# Altium PCB Sistema_electrolitic.PcbDoc (continued)
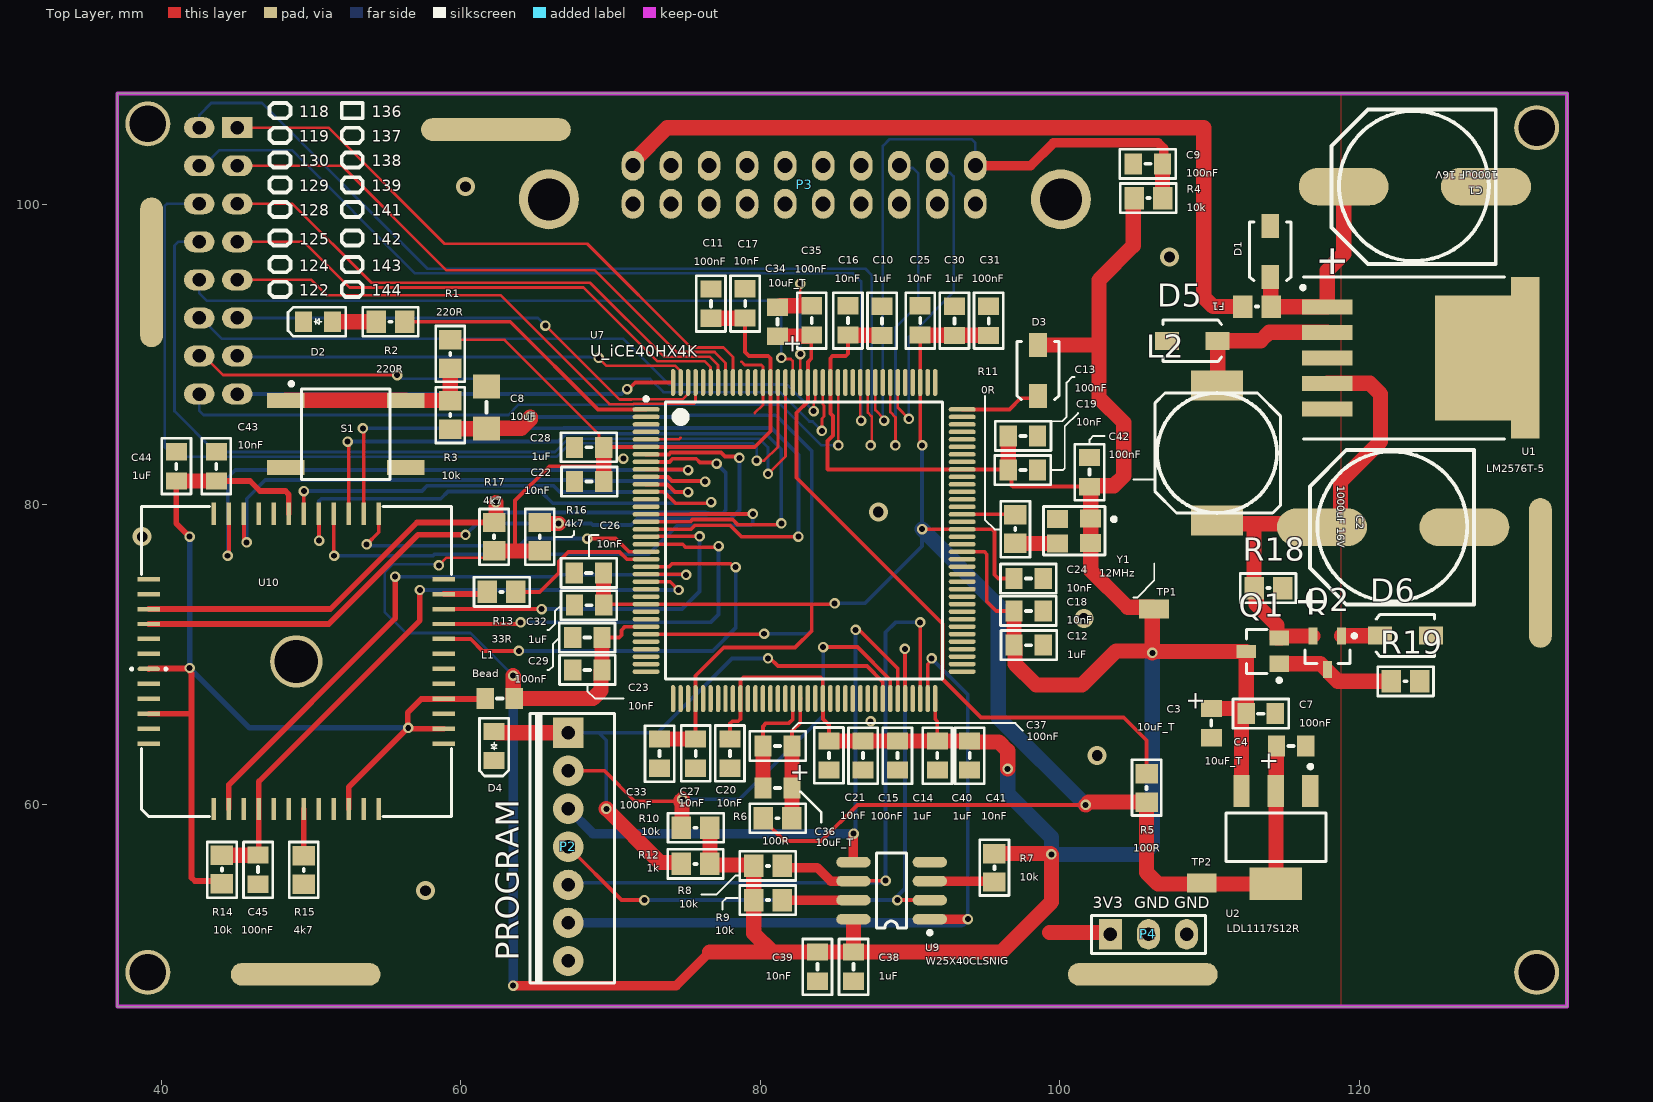
[diagram p0: Top Layer view]
## Part data (continued)
L1: library part L_Bead, "Inductor SMD 0805", Case Code (Imperial)=0805, Case Code (Metric)=2012, Manufacturer=Pulse, Manufacturer Part Number=PE-0805PFB600ST, Max Current Rating=3A, Max Operating Temperature=105°C, Min Operating Temperature=-40°C, Package Quantity=4000, Supplier Part Number 1=673-PE-0805PFB600ST, Case/Package=0805, Category="Ferrite Beads and Chips", ComponentLink1Description=https://productfinder.pulseeng.com/doc_type/WEB301/doc_num/WC706/doc_part/WC706.pdf?src-supplier=Digikey, ComponentLink1URL=https://productfinder.pulseeng.com/doc_type/WEB301/doc_num/WC706/doc_part/WC706.pdf?src-supplier=Digikey, ComponentLink2Description=http://productfinder.pulseeng.com/products/datasheets/WC706.pdf?src-supplier=Digikey, ComponentLink2URL=http://productfinder.pulseeng.com/products/datasheets/WC706.pdf?src-supplier=Digikey, Height=0.041inch, Length=0.079inch, Mounting Technology="Surface Mount", Number of Lines=1, Packaging="Cut Tape", Pricing 1="1=0,1, 10=0,051, 50=0,051, 100=0,035, 1000=0,025, 10000=0,02 (USD)", RoHS=Yes, RoHS Compliant=Yes, Series=PFB, Stock 1=58506, Supplier 1=Mouser, Width=0.049inch
L2: library part L_?_5, "(Generico)  Inductor SMD 10x10"
P1: library part "P_Conector 8x2"
P2: library part "P_BORNERA 7", "Bornera 7"
P3: library part P_Conector_20_H, "Conector 20 Position Din Connector Plug, Male Pins Gold Through Hole, Right Angle", Current Rating=2A, Flammability Rating="UL94 V-0", Manufacturer="HARTING Technology", Manufacturer Part Number=09242206825, Package Quantity=20, Supplier Part Number 1=617-09-24-220-6825, Category="DIN 41612 Connectors", ComponentLink1Description=https://datasheet.ciiva.com/11731/0900766b811d3497-11731844.pdf?src-supplier=Rs, ComponentLink1URL=https://datasheet.ciiva.com/11731/0900766b811d3497-11731844.pdf?src-supplier=Rs, Connector Type=Receptacle, Contact Material="Copper Alloy", Contact Plating=Gold, Gender=Female, Housing Material=Thermoplastic, Insulation Material=Glass, Lead Free="Lead Free", Mounting Technology="Through Hole", Number of Contacts=20, Number of Positions=20, Number of Rows=2, Orientation=Straight, Packaging=Bulk, Pitch=2.54mm, Pricing 1="1=4,87, 10=4,27, 50=4,27, 100=3,55, 1000=2,94, 10000=2,74 (USD)", RoHS=Yes, RoHS Compliant=Yes, Series="DIN 41612", Shell Size=3B, Stock 1=166, Supplier 1=Mouser, Tail Length=4.5mm, Termination=Solder
P4: library part "P_Header 3", "Header, 3-Pin"
Q1: library part Q_SQ2389CES-T1_GE3, Supplier Part Number 1=78-SQ2389CES-T1_GE3, Supplier 1=Mouser
Q2: library part Q_BC856, "TRANS PNP 65V 0.1A SOT23", Case/Package=SOT-23-3, Clock Frequency=100MHz, Collector Base Voltage (VCBO)=80V, Collector Emitter Breakdown Voltage=65V, Collector Emitter Saturation Voltage=-650mV, Collector-emitter Voltage-Max=650mV, Current Rating=-100mA, Emitter Base Voltage (VEBO)=5V, Manufacturer="ON Semiconductor", Max Collector Current=100mA, Max Operating Temperature=150°C, Max Power Dissipation=300mW, Min Operating Temperature=-55°C, Package Quantity=3000, Supplier Part Number 1=863-BC856ALT1G, Voltage Rating (DC)=-65V, Category=BJTs, Collector Emitter Voltage (VCEO)=65V, ComponentLink1Description="Manufacturer Link", ComponentLink1URL=http://www.fairchildsemi.com/, ComponentLink2Description=Datasheet, ComponentLink2URL=http://www.fairchildsemi.com/ds/2N%2F2N3904.pdf, ComponentLink3Description=http://www.farnell.com/datasheets/1840529.pdf?src-supplier=Farnell, ComponentLink3URL=http://www.farnell.com/datasheets/1840529.pdf?src-supplier=Farnell, ComponentLink4Description=http://www.alliedelec.com/m/d/ae2fff4c1f3549b23e4cd9e6cc054b51.pdf?src-supplier=Allied+Electronics, ComponentLink4URL=http://www.alliedelec.com/m/d/ae2fff4c1f3549b23e4cd9e6cc054b51.pdf?src-supplier=Allied+Electronics, ComponentLink5Description=http://www.mouser.com/ds/2/308/BC856ALT1-D-249456.pdf?src-supplier=Mouser, ComponentLink5URL=http://www.mouser.com/ds/2/308/BC856ALT1-D-249456.pdf?src-supplier=Mouser, ComponentLink6Description=http://www.farnell.com/datasheets/1840529.pdf?src-supplier=Element14, ComponentLink6URL=http://www.farnell.com/datasheets/1840529.pdf?src-supplier=Element14, ComponentLink7Description=http://www.farnell.com/datasheets/1840529.pdf?src-supplier=Newark, ComponentLink7URL=http://www.farnell.com/datasheets/1840529.pdf?src-supplier=Newark, Contact Plating=Tin,Matte, Frequency=100MHz, Gain Bandwidth Product=100MHz, Height=0.94mm, hFE Min=125, Lead Free="Lead Free", Length=2.9mm, Manufacturer Part Number=BC856ALT1G, Max Breakdown Voltage=65V, Number of Elements=1, Packaging="Tape and Reel", Pins=3, Polarity=PNP, Power Dissipation=300mW, Pricing 1="1=0,11, 10=0,071, 50=0,071, 100=0,034, 1000=0,021, 10000=0,015 (USD)", Radiation Hardening=No, Reach SVHC Compliant=No, RoHS=Yes, RoHS Compliant=Yes, Series=-, Stock 1=30566, Supplier 1=Mouser, Transition Frequency=100MHz, Width=1.3mm
R1 R2: library part R_220R_b, "Resistor SMD 0805", Case Code (Imperial)=0805, Case Code (Metric)=2012, Manufacturer=Bourns, Manufacturer Part Number=CR0805-FX-2200ELF, Max Operating Temperature=155°C, Max Power Dissipation=125mW, Min Operating Temperature=-55°C, Package Quantity=5000, Supplier Part Number 1=CR0805-FX-2200ELFCT-ND, Temperature Coefficient=100ppm/°C, Tolerance=1%, Voltage Rating=150V, Case/Package=0805, Category="Chip SMD Resistors", ComponentLink1Description=https://datasheet.ciiva.com/5540/chpreztr-5540846.pdf?src-supplier=Mouser, ComponentLink1URL=https://datasheet.ciiva.com/5540/chpreztr-5540846.pdf?src-supplier=Mouser, Contact Plating=Tin, Features="Moisture Resistant", Height=0.5mm, Length=2mm, Mounting Technology="Surface Mount", Number of Terminations=2, Packaging="Tape and Reel", Power Rating=125mW, Pricing 1="1=0,1, 10=0,021, 50=0,0132, 100=0,011, 500=0,00744, 1000=0,00639 (USD)", Radiation Hardening=No, RoHS=Yes, RoHS Compliant=Yes, Series=CR0805, Stock 1=162372, Supplier 1=Digikey, Termination=SMD/SMT, Thickness=508um, Width=1.25mm
R3 R4 R7 R8 R9 R10 R14 R18: library part R_10k_b, "Resistor SMD 0805", Case Code (Imperial)=0805, Case Code (Metric)=2012, Manufacturer=Yageo, Manufacturer Part Number=AC0805FR-0710KL, Max Operating Temperature=155°C, Max Power Dissipation=125mW, Min Operating Temperature=-55°C, Package Quantity=1, Supplier Part Number 1=311-10KLGCT-ND, Temperature Coefficient=100ppm/°C, Tolerance=1%, Voltage Rating=150V, Case/Package=0805, Category="Chip SMD Resistors", ComponentLink1Description=http://www.yageo.com/NewPortal/yageodocoutput?fileName=/pdf/R-Chip/PYu-AC_51_RoHS_L_6.pdf&src-supplier=Digikey, ComponentLink1URL=http://www.yageo.com/NewPortal/yageodocoutput?fileName=/pdf/R-Chip/PYu-AC_51_RoHS_L_6.pdf&src-supplier=Digikey, ComponentLink2Description=http://www.yageo.com/documents/recent/PYu-AC_51_RoHS_L_2_revised.pdf?src-supplier=Future+Electronics, ComponentLink2URL=http://www.yageo.com/documents/recent/PYu-AC_51_RoHS_L_2_revised.pdf?src-supplier=Future+Electronics, ComponentLink3Description=http://www.yageo.com/NewPortal/yageodocoutput?fileName=/pdf/R-Chip/PYu-AC_51_RoHS_L_6.pdf&src-supplier=NAC+Semi, ComponentLink3URL=http://www.yageo.com/NewPortal/yageodocoutput?fileName=/pdf/R-Chip/PYu-AC_51_RoHS_L_6.pdf&src-supplier=NAC+Semi, ComponentLink4Description=http://www.yageo.com/NewPortal/yageodocoutput?fileName=/pdf/R-Chip/PYu-AC_51_RoHS_L_6.pdf&src-supplier=Rutronik, ComponentLink4URL=http://www.yageo.com/NewPortal/yageodocoutput?fileName=/pdf/R-Chip/PYu-AC_51_RoHS_L_6.pdf&src-supplier=Rutronik, Construction=Rectangular, Depth=1.25mm, Features="Moisture Resistant,Automotive AEC-Q200,Anti-Sulfur", Height=0.024inch, Lead Free="Lead Free", Length=0.079inch, Military Standard=Not, Number of Terminations=2, Packaging="Tape and Reel", Power Rating=125mW, Pricing 1="1=0,1, 10=0,031, 50=0,0198, 100=0,0166, 500=0,01152, 1000=0,00997 (USD)", RoHS=Yes, RoHS Compliant=Yes, Series=AC, Stock 1=480247, Supplier 1=Digikey, Termination=SMD/SMT, Width=0.049inch
R5 R6: library part R_100R_b, "Resistor SMD 0805", Case Code (Imperial)=0805, Case Code (Metric)=2012, Manufacturer="Vishay Dale", Manufacturer Part Number=CRCW0805100RFKEA, Max Operating Temperature=155°C, Max Power Dissipation=125mW, Min Operating Temperature=-55°C, Package Quantity=10, Resistance Tolerance=1%, Resistor Type="Thick Film", Supplier Part Number 1=71-CRCW0805-100-E3, Temperature Coefficient=100ppm/°C, Voltage Rating=150V, Case/Package=0805, Category="Chip SMD Resistors", ComponentLink1Description=https://datasheet.ciiva.com/2495/dcrcwe3-2495842.pdf?src-supplier=Digikey, ComponentLink1URL=https://datasheet.ciiva.com/2495/dcrcwe3-2495842.pdf?src-supplier=Digikey, ComponentLink2Description=https://datasheet.ciiva.com/16760/70201119-16760940.pdf?src-supplier=Allied+Electronics, ComponentLink2URL=https://datasheet.ciiva.com/16760/70201119-16760940.pdf?src-supplier=Allied+Electronics, ComponentLink3Description=https://datasheet.ciiva.com/16777/70201119-16777129.pdf?src-supplier=Allied+Electronics, ComponentLink3URL=https://datasheet.ciiva.com/16777/70201119-16777129.pdf?src-supplier=Allied+Electronics, ComponentLink4Description=https://datasheet.ciiva.com/5546/dcrcwe3-109170-5546700.pdf?src-supplier=Mouser, ComponentLink4URL=https://datasheet.ciiva.com/5546/dcrcwe3-109170-5546700.pdf?src-supplier=Mouser, Construction=Rectangular, Contact Plating=Tin, Depth=1.25mm, Features="Automotive AEC-Q200", Height=0.45mm, Lead Free=5697LeadFree, Length=2mm, Military Standard=Not, Number of Terminations=2, Packaging="Tape and Reel", Pins=2NUMBER, Power Rating=125mW, Pricing 1="1=0,1, 10=0,025, 50=0,025, 100=0,015, 1000=0,012, 10000=0,008 (USD)", Radiation Hardening=No, Reach SVHC Compliant=Unknown, RoHS=Yes, RoHS Compliant=Yes, Series=CRCW, Stock 1=173839, Supplier 1=Mouser, Technology="THICK FILM", Termination=SMD/SMT, Tolerance=1%, Voltage Rating (DC)=150V, Weight=0.000194oz, Width=0.049inch
R11: library part R_0R_b, "Resistor SMD 0805", Case Code (Imperial)=0805, Case Code (Metric)=2012, Manufacturer="Stackpole Electronics", Manufacturer Part Number=RMCF0805ZT0R00, Max Operating Temperature=155°C, Max Power Dissipation=125mW, Min Operating Temperature=-55°C, Ratings=AEC-Q200, Supplier Part Number 1=RMCF0805ZT0R00CT-ND, Temperature Coefficient=200ppm/°C, Voltage Rating=150V, Case/Package=0805, Category="Chip SMD Resistors", ComponentLink1Description=https://datasheet.ciiva.com/15193/getdatasheetpartid-360417-15193658.pdf?src-supplier=Verical, ComponentLink1URL=https://datasheet.ciiva.com/15193/getdatasheetpartid-360417-15193658.pdf?src-supplier=Verical, Construction=Rectangular, Contact Plating=Tin,Matte, Depth=1.25mm, Features="Automotive AEC-Q200", Height=0.026inch, Lead Free="Lead Free", Length=2mm, Military Standard=Not, Mounting Technology="Surface Mount", Number of Terminations=2, Packaging="Tape and Reel", Power Rating=125mW, Pricing 1="1=0,1, 10=0,017, 25=0,0128, 50=0,0096, 100=0,0068, 250=0,00544, 500=0,00436, 1000=0,00321 (USD)", Radiation Hardening=No, RoHS=Yes, RoHS Compliant=Yes, Series=RMCF, Stock 1=1321891, Supplier 1=Digikey, Width=0.049inch
R12: library part R_1k_b, "Resistor SMD 0805", Case Code (Imperial)=0805, Case Code (Metric)=2012, Manufacturer=Bourns, Manufacturer Part Number=CR0805-FX-1001ELF, Max Operating Temperature=155°C, Max Power Dissipation=125mW, Min Operating Temperature=-55°C, Package Quantity=5000, Resistance Tolerance=1%, Resistor Type="Thick Film", Supplier Part Number 1=CR0805-FX-1001ELFCT-ND, Temperature Coefficient=100ppm/°C, Voltage Rating=150V, Case/Package=0805, Category="Chip SMD Resistors", ComponentLink1Description=https://datasheet.ciiva.com/11810/0900766b80fcdb72-11810305.pdf?src-supplier=Rs, ComponentLink1URL=https://datasheet.ciiva.com/11810/0900766b80fcdb72-11810305.pdf?src-supplier=Rs, ComponentLink2Description=https://datasheet.ciiva.com/27049/775383-27049976.pdf?src-supplier=Jameco, ComponentLink2URL=https://datasheet.ciiva.com/27049/775383-27049976.pdf?src-supplier=Jameco, ComponentLink3Description=https://datasheet.ciiva.com/7986/1856384-7986222.pdf?src-supplier=Element14, ComponentLink3URL=https://datasheet.ciiva.com/7986/1856384-7986222.pdf?src-supplier=Element14, ComponentLink4Description=https://datasheet.ciiva.com/9123/chpreztr-9123643.pdf?src-supplier=Avnet, ComponentLink4URL=https://datasheet.ciiva.com/9123/chpreztr-9123643.pdf?src-supplier=Avnet, ComponentLink5Description=https://datasheet.ciiva.com/6547/chpreztr-6547422.pdf?src-supplier=Digikey, ComponentLink5URL=https://datasheet.ciiva.com/6547/chpreztr-6547422.pdf?src-supplier=Digikey, ComponentLink6Description=https://datasheet.ciiva.com/6547/chpreztr-6547423.pdf?src-supplier=Digikey, ComponentLink6URL=https://datasheet.ciiva.com/6547/chpreztr-6547423.pdf?src-supplier=Digikey, ComponentLink7Description=https://datasheet.ciiva.com/6547/chpreztr-6547421.pdf?src-supplier=Digikey, ComponentLink7URL=https://datasheet.ciiva.com/6547/chpreztr-6547421.pdf?src-supplier=Digikey, ComponentLink8Description=https://datasheet.ciiva.com/30129/159chpreztr-30129981.pdf?src-supplier=Onlinecomponents.com, ComponentLink8URL=https://datasheet.ciiva.com/30129/159chpreztr-30129981.pdf?src-supplier=Onlinecomponents.com, ComponentLink9Description=https://datasheet.ciiva.com/46394/691949-46394380.pdf?src-supplier=Element14, ComponentLink9URL=https://datasheet.ciiva.com/46394/691949-46394380.pdf?src-supplier=Element14, ComponentLink10Description=https://datasheet.ciiva.com/16722/70154685-16722677.pdf?src-supplier=Allied+Electronics, ComponentLink10URL=https://datasheet.ciiva.com/16722/70154685-16722677.pdf?src-supplier=Allied+Electronics, ComponentLink11Description=https://datasheet.ciiva.com/48692/001055506-da-01-en-smd-wid-cr0805-fx-1001elf-1k-ohm-1-8w-48692106.pdf?src-supplier=Conrad, ComponentLink11URL=https://datasheet.ciiva.com/48692/001055506-da-01-en-smd-wid-cr0805-fx-1001elf-1k-ohm-1-8w-48692106.pdf?src-supplier=Conrad, Contact Plating=Tin, Depth=1.25mm, Features="Moisture Resistant", Height=0.5mm, Length=2mm, Mounting Technology="Surface Mount", Number of Terminations=2, Packaging="Tape and Reel", Pins=2, Power Rating=125mW, Pricing 1="1=0,1, 10=0,021, 50=0,0132, 100=0,011, 500=0,00744, 1000=0,00639 (USD)", Radiation Hardening=No, Reach SVHC Compliant=No, RoHS=Yes, RoHS Compliant=Yes, Series=CR0805, Stock 1=453972, Supplier 1=Digikey, Technology="THICK FILM", Termination=SMD/SMT, Thickness=508um, Tolerance=1%, Voltage Rating (DC)=150V, Width=1.25mm
R13: library part R_33R_b, "Resistor SMD 0805", Case Code (Imperial)=0805, Case Code (Metric)=2012, Manufacturer="Stackpole Electronics", Manufacturer Part Number=RMCF0805FT33R0, Max Operating Temperature=155°C, Max Power Dissipation=125mW, Min Operating Temperature=-55°C, Ratings=AEC-Q200, Supplier Part Number 1=RMCF0805FT33R0CT-ND, Temperature Coefficient=100ppm/°C, Tolerance=1%, Voltage Rating=150V, Case/Package=0805, Category="Chip SMD Resistors", ComponentLink1Description=http://components.arrow.com/part/dataview/50498375S389572N1174?src-supplier=Arrow+Electronics, ComponentLink1URL=http://components.arrow.com/part/dataview/50498375S389572N1174?src-supplier=Arrow+Electronics, ComponentLink2Description=https://www.seielect.com/catalog/SEI-RMCF_RMCP.pdf?src-supplier=Avnet, ComponentLink2URL=https://www.seielect.com/catalog/SEI-RMCF_RMCP.pdf?src-supplier=Avnet, ComponentLink3Description=https://www.seielect.com/Catalog/SEI-RMCF_RMCP.pdf?src-supplier=Digikey, ComponentLink3URL=https://www.seielect.com/Catalog/SEI-RMCF_RMCP.pdf?src-supplier=Digikey, ComponentLink4Description=https://www.seielect.com/catalog/SEI-Packaging.pdf?src-supplier=Digikey, ComponentLink4URL=https://www.seielect.com/catalog/SEI-Packaging.pdf?src-supplier=Digikey, Contact Plating=Tin,Matte, Features="Automotive AEC-Q200", Height=0.026inch, Length=0.079inch, Mounting Technology="Surface Mount", Number of Terminations=2, Packaging="Tape and Reel", Pricing 1="1=0,1, 10=0,02, 50=0,0124, 100=0,0103, 500=0,007, 1000=0,00601 (USD)", Radiation Hardening=No, RoHS=Yes, RoHS Compliant=Yes, Series=RMCF, Stock 1=76142, Supplier 1=Digikey, Width=0.049inch
R15 R16 R17: library part R_4k7_b, "Resistor SMD 0805", Case Code (Imperial)=0805, Case Code (Metric)=2012, Manufacturer="Stackpole Electronics", Manufacturer Part Number=RMCF0805FT4K70, Max Operating Temperature=155°C, Max Power Dissipation=125mW, Min Operating Temperature=-55°C, Ratings=AEC-Q200, Supplier Part Number 1=RMCF0805FT4K70CT-ND, Temperature Coefficient=100ppm/°C, Tolerance=1%, Case/Package=0805, Category="Chip SMD Resistors", ComponentLink1Description=https://www.seielect.com/catalog/SEI-RMCF_RMCP.pdf?src-supplier=Avnet, ComponentLink1URL=https://www.seielect.com/catalog/SEI-RMCF_RMCP.pdf?src-supplier=Avnet, ComponentLink2Description=https://www.seielect.com/Catalog/SEI-RMCF_RMCP.pdf?src-supplier=Digikey, ComponentLink2URL=https://www.seielect.com/Catalog/SEI-RMCF_RMCP.pdf?src-supplier=Digikey, ComponentLink3Description=https://www.seielect.com/catalog/SEI-Packaging.pdf?src-supplier=Digikey, ComponentLink3URL=https://www.seielect.com/catalog/SEI-Packaging.pdf?src-supplier=Digikey, ComponentLink4Description=http://components.arrow.com/part/dataview/44988207S7163511N1174?src-supplier=Arrow+Electronics, ComponentLink4URL=http://components.arrow.com/part/dataview/44988207S7163511N1174?src-supplier=Arrow+Electronics, ComponentLink5Description=http://www.seielect.com/catalog/sei-rmc.pdf?src-supplier=Future+Electronics, ComponentLink5URL=http://www.seielect.com/catalog/sei-rmc.pdf?src-supplier=Future+Electronics, ComponentLink6Description=https://datasheet.octopart.com/RMCF0805FT4K70-Stackpole-Electronics-datasheet-11547379.pdf?src-supplier=Future+Electronics, ComponentLink6URL=https://datasheet.octopart.com/RMCF0805FT4K70-Stackpole-Electronics-datasheet-11547379.pdf?src-supplier=Future+Electronics, ComponentLink7Description=https://www.verical.com/server-webapp/html/getDatasheet?partID=409513&src-supplier=Verical, ComponentLink7URL=https://www.verical.com/server-webapp/html/getDatasheet?partID=409513&src-supplier=Verical, Construction=Rectangular, Contact Plating=Tin,Matte, Depth=1.25mm, Features="Automotive AEC-Q200", Height=0.026inch, Lead Free="Lead Free", Length=2mm, Military Standard=Not, Mounting Technology="Surface Mount", Number of Terminations=2, Packaging="Tape and Reel", Power Rating=125mW, Pricing 1="1=0,1, 10=0,02, 50=0,0124, 100=0,0103, 500=0,007, 1000=0,00601 (USD)", Radiation Hardening=No, RoHS=Yes, RoHS Compliant=Yes, Series=RMCF, Stock 1=619298, Supplier 1=Digikey, Width=0.049inch
R19: library part R_2k2_b, "Resistor SMD 0805", Case Code (Imperial)=0805, Case Code (Metric)=2012, Manufacturer=Bourns, Manufacturer Part Number=CR0805-FX-2201ELF, Max Operating Temperature=155°C, Min Operating Temperature=-55°C, Package Quantity=5000, Power Rating=125mW, Resistance Tolerance=1%, Resistor Type="Thick Film", Supplier Part Number 1=118-CR0805-FX-2201ELFCT-ND, Temperature Coefficient=100ppm/°C, Voltage Rating=150V, Case/Package=0805, Category="Chip SMD Resistors", ComponentLink1Description=https://datasheet.ciiva.com/22713/691949-22713256.pdf?src-supplier=Element14, ComponentLink1URL=https://datasheet.ciiva.com/22713/691949-22713256.pdf?src-supplier=Element14, ComponentLink2Description=https://datasheet.ciiva.com/5541/chpreztr-5541000.pdf?src-supplier=Mouser, ComponentLink2URL=https://datasheet.ciiva.com/5541/chpreztr-5541000.pdf?src-supplier=Mouser, Contact Plating=Tin, Height=0.5mm, Length=2mm, Mounting Technology="Surface Mount", Packaging="Tape and Reel", Pricing 1="1=0,1, 10=0,021, 50=0,0132, 100=0,011, 500=0,00744, 1000=0,00639 (USD)", Radiation Hardening=No, Reach SVHC Compliant=No, RoHS=Yes, RoHS Compliant=Yes, Series=CR0805, Stock 1=80126, Supplier 1=Digikey, Termination=SMD/SMT, Thickness=508um, Tolerance=1%, Voltage Rating (DC)=150V, Width=1.25mm
S1: library part S_?_3, "(Generico) Switch SMD"
TP1 TP2: library part P_T_TP, "Test Point SMD", Supplier Part Number 1=279-RCT-0C, LatestRevisionDate=17-Jul-2002, LatestRevisionNote="Re-released for DXP Platform.", Origin=CHINA, PackageDescription="Axial Device, Thru-Hole; 2 Leads; 0.3 in Pin Spacing", PackageReference=AXIAL-0.3, Published=8-Jun-2000, Publisher="Altium Limited", Supplier 1=Mouser, Type=CONNECTOR
U1: library part U_LM2576-3.3WU, Supplier Part Number 1=998-LM2576-3.3WUTR, Supplier 1=Mouser
U2: library part U_LDL1117, "LDL1117 Series 1.2 A 2.5 V High PSRR LDO Linear Voltage Regulator-SOT-223", Case/Package=TO-261-4, Manufacturer=STMicroelectronics, Manufacturer Part Number=LDL1117S25R, Max Operating Temperature=125°C, Max Supply Voltage=18V, Min Operating Temperature=-40°C, Min Output Voltage=2.5V, Min Supply Voltage=2.6V, Nominal Supply Current=250uA, Output Current=1.2A, Power Supply Rejection Ratio (PSRR)=65dB, Quiescent Current=500uA, Supplier Part Number 1=511-LDL1117S25R, Accuracy=2%, Category="Voltage Regulators - Linear", ComponentLink1Description=http://www.farnell.com/datasheets/2342741.pdf?src-supplier=Farnell, ComponentLink1URL=http://www.farnell.com/datasheets/2342741.pdf?src-supplier=Farnell, ComponentLink2Description=http://www.st.com/content/ccc/resource/technical/document/datasheet/group3/0e/5a/00/ca/10/1a/4f/a5/DM00366442/files/DM00366442.pdf/jcr:content/translations/en.DM00366442.pdf?src-supplier=Digikey, ComponentLink2URL=http://www.st.com/content/ccc/resource/technical/document/datasheet/group3/0e/5a/00/ca/10/1a/4f/a5/DM00366442/files/DM00366442.pdf/jcr:content/translations/en.DM00366442.pdf?src-supplier=Digikey, ComponentLink3Description=https://datasheet.octopart.com/LDL1117S25R-STMicroelectronics-datasheet-165583407.pdf?src-supplier=TME, ComponentLink3URL=https://datasheet.octopart.com/LDL1117S25R-STMicroelectronics-datasheet-165583407.pdf?src-supplier=TME, Height=1.8mm, Mounting Technology="Surface Mount", Number of Channels=1NUMBER, Number of Outputs=1NUMBER, Number of Regulators=1, Output Configuration=Positive, Output Type=Fixed, Output Voltage=2.5V, Packaging="Cut Tape", Pricing 1="1=1,1, 10=0,98, 50=0,935, 100=0,757, 1000=0,478, 10000=0,415 (USD)", RoHS=Yes, RoHS Compliant=Yes, Series=-, Stock 1=10345, Supplier 1=Mouser
U7: Supplier Part Number 1=220-1572-ND, Supplier 1=Digikey
U9: library part U_W25X40CLSNIG, Supplier Part Number 1=W25X40CLSNIG-ND, Supplier 1=Digikey
U10: library part MT9M001C12STM, "SENSOR 1/2 PULGADA 1 MEGAPIXEL", Supplier Part Number 1=30AC9943, ComponentLink1Description=DATASHEET, ComponentLink1URL=https://github.com/Fresita-codificadora/Proyecto_Final_DOME/blob/main/datasheet/HOJA_DE_DATOS_IMAGER_mt9m001_USADO_CON_FPGA.pdf, Supplier 1=Newark, Supplier 2=Farnell, Supplier Part Number 2=3613986
Y1: library part Y_12MHZ, Supplier Part Number 1=XC2882CT-ND, Supplier 1=Digikey

## Free pads (board coordinates)
  round 3 hole 2.45: 2(39.116,48.768) 2(39.116,105.41) 2(131.826,48.768) 2(131.826,105.156)
  round 0.7 hole 0.4 mask+0.102: 9(87.376,65.532)
  oval 1.524x10 smd: 10(39.37,95.504) 10(132.08,75.438)
  oval 10x1.524 smd: 10(49.657,48.641) 10(62.357,105.029) 10(105.537,48.641)

## Via types
v1: diameter 0.7, hole 0.4, Top Layer to Bottom Layer, tented both sides, 77 vias
v2: diameter 1.27, hole 0.711, Top Layer to Bottom Layer, tented both sides, 7 vias

## Nets (pads, with @x,y where several pads share a name; then routed paths per layer and width w, separated by ;. In a path a pad name is that pad's centre, name@x,y a point inside that pad or via, vN(x,y) a via of type N, cw(c..) or ccw(c..) an arc to the next point about the centre after c; other vN are vias at no path point)
1V2: C4.1 C24.1 C25.1 C26.1 C27.1 C30.2 C31.2 C32.2 C33.2 R5.1 R6.1 TP2.1 U2.2 U2.4 U7.27 U7.40 U7.92 U7.111 | length 143.5
  Top Layer w0.254: C32.2 69.623,73.347 U7.27 83.439,73.347 ; C27.1 75.681,64.359 U7.40 75.681,68.569 77.566,70.454 82.327,70.454 83.439,71.566 83.439,73.347 ; R6.1 80.203,58.955 81.627,57.531 84.074,57.531 86.487,59.944 v1(101.727,59.944) ; v1(84.963,73.406) 84.904,73.347 83.439,73.347 ; C25.1@90.691,91.3 90.681,91.291 U7.111 90.681,84.192 90.805,84.068 v1(90.805,83.947) ; v1(90.805,78.359) 90.817,78.347 U7.92 95.482,78.347 95.631,78.198 95.631,75.311 95.885,75.057 C24.1
  Top Layer w1.016: C26.1 69.542,75.425 69.542,73.292 C32.2 ; C33.2 C27.1 ; C25.1@90.691,91.3 95.237,91.3 C31.2 ; v1(101.727,59.944) 101.92,60.137 R5.1 105.791,55.44 106.553,54.678 114.42,54.678 U2.4 U2.2 114.448,60.905 114.448,63.861 C4.1
  Bottom Layer w0.254: v1(84.963,73.406) 86.995,73.406 90.805,77.216 v1(90.805,78.359) v1(90.805,83.947)
  Bottom Layer w1.016: v1(90.805,78.359) 95.885,73.279 95.885,65.786 v1(101.727,59.944)
3V3: C3.1 C7.2 C10.2 C11.2 C12.2 C13.2 C14.2 C15.2 C16.1 C17.1 C18.1 C19.1 C20.1 C21.1 C22.1 C23.1 C28.2 C29.2 C38.2 C39.2 C40.2 C41.2 C42.1 D3.2 L1.1 P4.1 Q1.3 R1.2 R4.2 R7.2 R8.2 R9.2 R10.2 R12.1 R16.2 R17.2 TP1.1 U2.3 U7.6 U7.30 U7.46 U7.57 U7.72 U7.89 U7.100 U7.123 U7.131 U9.8 Y1.1 Y1.4 | length 342.1
  Top Layer w0.178: v1(58.547,75.946) 59.055,76.454 61.683,76.454 62.13,76.901 R17.2 ; R1.2 62.931,90.993 69.241,84.683 69.241,84.134 C28.2
  Top Layer w0.254: 63.627,76.901 63.627,80.264 65.913,82.55 69.428,82.55 69.555,82.677 ; R16.2@64.643,76.901 64.67,76.928 65.625,76.928 R16.2@65.625,77.148 ; C22.1@69.107,81.086 C22.1 ; C29.2 70.59,71.12 70.739,71.269 70.739,71.606 70.98,71.847 U7.30 ; C28.2 69.582,83.847 U7.6 79.634,83.847 80.681,84.894 U7.131 80.681,89.767 80.532,89.916 79.248,89.916 78.981,90.183 78.981,92.431 C17.1@78.981,92.456 ; C20.1 77.978,65.383 78.127,65.532 78.532,65.532 78.681,65.681 U7.46 78.681,68.267 78.867,68.453 84.023,68.453 84.172,68.304 84.172,67.056 U7.57 84.181,65.679 84.582,65.278 C21.1 ; C16.1 85.852,90.065 85.703,89.916 84.83,89.916 84.681,89.767 U7.123 84.681,86.08 84.851,85.91 84.851,84.615 84.486,84.25 84.486,82.368 84.507,82.347 U7.100 96.51,82.347 C19.1 96.774,82.083 96.774,81.28 96.86,81.194 C42.1 ; U7.72 91.681,65.672 91.821,65.532 C40.2 ; U7.89 94.962,76.847 95.123,76.686 95.123,73.533 95.758,72.898 C18.1
  Top Layer w0.635: v1(63.5,47.879) 74.388,47.879 76.633,50.124
  Top Layer w1.016: R17.2 63.627,76.901 R16.2@64.643,76.901 ; v1(63.5,68.58) 63.519,68.561 63.519,67.123 L1.1 68.833,67.056 69.361,67.584 69.361,68.894 C23.1 C29.2 ; C22.1 69.555,82.677 C28.2 ; 76.633,50.124 80.813,50.124 ; R10.2 R12.1 76.705,55.944 79.504,55.944 R9.2 R8.2 79.568,51.369 80.813,50.124 ; C11.2 C17.1@78.981,92.431 ; C21.1 C15.2 C14.2 C40.2 C41.2 94.047,64.154 95.925,64.154 96.52,63.559 v1(96.52,62.357) ; C16.1 85.865,91.3 88.125,91.3 C10.2 ; 86.233,51.943 C38.2 ; R7.2 99.38,56.703 v1(99.441,56.642) 99.441,53.467 96.098,50.124 C38.2 ; C19.1@96.561,82.347 C13.2 ; C18.1 C12.2 97.009,70.545 97.009,69.361 98.425,67.945 101.473,67.945 103.759,70.231 106.045,70.231 v1(106.172,70.104) ; D3.2 102.616,90.649 ; 99.314,51.435 103.124,51.435 P4.1@103.378,51.181 ; R4.2 104.902,100.391 104.902,97.282 102.616,94.996 102.616,90.649 ; TP1.1@106.172,72.908 v1(106.172,70.104) ; TP1.1@106.182,73.142 104.531,73.142 102.057,75.616 Y1.4 Y1.1 102.057,81.127 101.99,81.194 C42.1 102.048,81.261 103.613,81.261 104.267,81.915 104.267,85.471 102.616,87.122 102.616,90.649 ; C3.1 C7.2@112.041,66.38 ; U2.3 C7.2@112.127,66.04 ; C7.2 112.437,66.041 Q1.3 Q1.3 106.261,70.193 v1(106.172,70.104) ; 80.813,50.124 C39.2 C38.2
  Bottom Layer w0.178: v1(58.547,75.946) 58.489,76.004 55.466,76.004 54.933,75.471 54.933,72.829 56.338,71.424 60.656,71.424 v1(63.5,68.58)
  Bottom Layer w0.635: v1(63.5,47.879) v1(63.5,68.58)
  Bottom Layer w1.016: v1(96.52,62.357) 96.52,60.706 99.441,57.785 v1(99.441,56.642) 105.537,56.642 106.172,57.277 v1(106.172,70.104)
Btn_1: C8.2 R3.2 U7.31 | length 48.7
  Top Layer w0.254: U7.31 80.237,71.347 v1(80.264,71.374)
  Top Layer w1.016: R3.2 59.338,85.058 61.693,85.058 C8.2 64.048,85.087 64.643,85.682 v1(64.643,85.852)
  Bottom Layer w0.254: v1(64.643,85.852) 74.752,85.852 74.861,85.961 81.044,85.961 83.439,83.566 83.439,71.628 83.185,71.374 v1(80.264,71.374)
GND: C1.2 C2.2 C3.2 C4.2 C7.1 C8.1 C9.1 C10.1 C11.1 C12.1 C13.1 C14.1 C15.1 C16.2 C17.2 C18.2 C19.2 C20.2 C21.2 C22.2 C23.2 C24.2 C25.2 C26.2 C27.2 C28.1 C29.1 C30.1 C31.1 C32.1 C33.1 C38.1 C39.1 C40.1 C41.1 C42.2 C43.1 C44.1 C45.1 D1.2 D2.1 D4.1 D5.2 D6.2 P2.7 P4.2 P4.3 pad.9 pad.10 R15.1 R19.2 S1.2 U1.3 U1.5 U1.6 U2.1 U7.5 U7.13 U7.14 U7.59 U7.69 U7.86 U7.103 U7.132 U7.140 U9.4 U10.5 U10.15 U10.17 U10.18 U10.21 U10.23 U10.38 U10.43 U10.47 U10.48 Y1.2 | length 7.2
  Top Layer w0.178: U7.5 74.568,84.347 74.676,84.455 ; 78.74,89.535 78.966,89.309 80.077,89.309 80.181,89.205 U7.132 80.181,86.658 79.629,86.106
  other v1: 70.866,83.058
  other v2: 57.658,54.229 102.489,63.246 101.6,72.39 38.735,77.851 87.884,79.502 107.315,96.52 60.325,101.219
Led_1: R2.2 U7.1 | length 18.6
  Top Layer w0.254: R2.2 63.308,92.202 69.163,86.347 U7.1
NetC1_1: C1.1 D1.1 F1.2 U1.1 | length 14.2
  Top Layer w1.016: D1.1 114.077,95.171 114.077,93.249 F1.2 114.121,93.204 117.844,93.204 U1.1 117.852,95.627 118.745,96.52 118.948,96.723 C1.1
NetC2_1: C2.1 L2.2 Q1.2 Q2.2 R18.2 U1.4 | length 32.6
  Top Layer w1.016: L2.2 110.716,78.712 113.03,78.712 ; Q2.2 114.908,71.229 114.772,71.094 114.504,71.094 114.496,71.101 114.496,71.94 113.111,73.325 113.111,74.28 R18.2 112.969,78.651 113.03,78.712 ; U1.4 120.697,88.091 121.412,87.376 121.412,84.213 118.742,81.543 118.742,79.172 118.057,78.486 C2.1 117.274,78.712 113.03,78.712
NetC9_2: C9.2 P3.A10 R4.1 U7.117 | length 45.9
  Top Layer w0.178: U7.117 87.681,86.309 88.265,85.725 v1(88.265,85.598)
  Top Layer w0.635: P3.A10 98.044,102.616 99.568,104.14 106.562,104.14 106.748,103.954 106.934,103.768 106.934,102.825 C9.2 C9.2@106.86,102.735 ; R4.1@106.86,100.465 R4.1
  Top Layer w1.016: R4.1@106.86,100.465 C9.2@106.86,102.735
  Bottom Layer w0.178: v1(88.265,85.598) 88.188,85.675 88.188,103.936 88.646,104.394 94.107,104.394 94.361,104.14 P3.A10
NetC34_1: C34.1 C35.1 R5.2 U7.126 | length 47
  Top Layer w0.254: C35.1 83.408,91.282 83.408,89.74 83.181,89.513 83.181,86.882 82.423,86.124 82.423,81.788 92.171,72.04 92.171,68.357 94.742,65.786 104.267,65.786 105.791,64.262 R5.2
  Top Layer w1.016: C34.1 C35.1@83.228,91.227
NetC34_2: C34.2 C35.2 U7.127 | length 11.2
  Top Layer w0.178: v1(82.677,90.043) 82.681,90.039 U7.127 ; v1(82.677,94.742) 82.677,93.263 C35.2
  Top Layer w1.016: C34.2 81.278,93.177 81.364,93.263 82.828,93.263 83.314,93.263 C35.2
  Bottom Layer w0.178: v1(82.677,90.043) v1(82.677,94.742)
NetC36_1: C36.1 C37.1 R6.2 U7.54 | length 8.2
  Top Layer w0.254: C37.1 82.128,64.9 82.677,65.449 82.677,67.043 U7.54
  Top Layer w1.016: R6.2 82.115,59.067 82.115,61.087 82.115,63.869 C37.1
NetC36_2: C36.2 C37.2 U7.53 | length 6.8
  Top Layer w0.254: C37.2 80.178,65.192 80.391,65.405 81.915,65.405 82.169,65.659 U7.53@82.169,66.167
  Top Layer w1.016: C36.2 C37.2
NetC45_2: C45.2 R14.1 U7.24 U10.10 | length 44.3
  Top Layer w0.254: U7.24 73.997,74.847 v1(74.549,74.295)
  Top Layer w0.381: C45.2 46.53,56.649 U10.10 46.53,61.516 57.277,72.263 v1(57.277,74.295)
  Top Layer w1.016: R14.1 44.082,56.588 46.469,56.588 C45.2
  Bottom Layer w0.254: v1(57.277,74.295) v1(74.549,74.295)
NetD2_2: D2.2 R2.1 | length 2.9
  Top Layer w1.016: D2.2 R2.1
NetD3_1: D3.1 U7.108 | length 5.4
  Top Layer w0.254: U7.108 96.634,86.347 97.387,87.1 98.403,87.1 D3.1
NetD4_2: D4.2 P2.1 R12.2 U7.65 | length 41.6
  Top Layer w0.254: v1(80.518,69.723) 80.667,69.723 81.175,69.215 87.122,69.215 88.172,68.165 88.172,67.056 U7.65
  Top Layer w1.016: D4.2 62.355,64.856 62.441,64.77 P2.1 ; v1(69.723,59.69) 73.312,56.101 74.648,56.101 R12.2
  Bottom Layer w0.254: P2.1 69.215,64.77 ; v1(69.723,59.69) 69.723,64.262 69.215,64.77 ; v1(80.518,69.723) 78.105,69.723 73.152,64.77 69.215,64.77
NetD5_1: D5.1 L2.1 U1.2 | length 10.6
  Top Layer w1.016: L2.1 110.539,87.988 D5.1 113.411,90.932 113.974,91.495 U1.2
NetD6_1: D6.1 Q2.1 R18.1 | length 2.6
  Top Layer w1.016: Q2.1 118.815,71.238 121.354,71.238 D6.1
NetF1_1: F1.1 P3.A1 | length 53.5
  Top Layer w1.016: P3.A1 71.501,102.866 73.791,105.156 109.601,105.156 109.601,93.853 110.236,93.218 F1.1
NetP1_1: P1.1 U7.136 | length 41.1
  Top Layer w0.178: P1.1 51.181,105.156 58.928,97.409 68.453,97.409 75.38,90.482 77.539,90.482 78.181,89.84 U7.136
NetP1_2: P1.2 U7.118 | length 66.6
  Top Layer w0.178: U7.118 87.181,86.138 87.434,85.885 87.434,84.005 v1(87.376,83.947)
  Bottom Layer w0.178: P1.2 42.562,105.173 42.562,106.017 43.352,106.807 46.736,106.807 57.803,95.74 87.013,95.74 87.434,95.319 87.434,84.005 v1(87.376,83.947)
NetP1_3: P1.3 U7.137 | length 39.4
  Top Layer w0.178: P1.3 52.07,102.616 59.055,95.631 68.961,95.631 74.415,90.177 76.955,90.177 77.681,89.451 U7.137
NetP1_4: P1.4 U7.119 | length 60.1
  Top Layer w0.178: U7.119 86.681,85.658 v1(86.741,85.598)
  Bottom Layer w0.178: P1.4 42.862,102.616 43.904,103.657 48.743,103.657 56.965,95.435 86.198,95.435 86.741,94.892 v1(86.741,85.598)
NetP1_5: P1.5 U7.138 | length 37.7
  Top Layer w0.178: P1.5 48.768,100.076 54.038,94.805 68.644,94.805 73.576,89.873 76.624,89.873 77.181,89.316 U7.138
NetP1_6: P1.6 U7.130 | length 65.7
  Top Layer w0.178: v1(79.756,82.931) 80.264,82.931 81.181,83.848 U7.130
  Bottom Layer w0.178: P1.6 40.386,100.076 40.259,99.949 40.259,83.82 40.894,83.185 66.412,83.185 67.308,84.081 79.502,84.081 79.756,83.827 v1(79.756,82.931)
NetP1_7: P1.7 U7.139 | length 36.1
  Top Layer w0.178: P1.7 49.53,97.536 52.578,94.488 68.199,94.488 73.119,89.568 76.294,89.568 76.681,89.181 U7.139
NetP1_8: P1.8 U7.129 | length 62.5
  Top Layer w0.178: v1(80.518,82.042) 81.681,83.205 U7.129
  Bottom Layer w0.178: P1.8 41.143,97.536 40.891,97.285 40.894,97.282 40.894,86.233 43.619,83.508 66.304,83.508 67.182,84.386 79.952,84.386 80.518,83.82 v1(80.518,82.042)
NetP1_9: P1.9 U7.141 | length 35.4
  Top Layer w0.178: P1.9 50.038,94.996 51.054,93.98 62.647,93.98 69.926,86.701 71.533,86.701 71.558,86.726 75.562,86.726 75.681,86.845 U7.141
NetP1_10: P1.10 U7.128 | length 45.5
  Top Layer w0.178: v1(81.412,89.789) 81.489,89.712 82.028,89.712 82.175,89.565 82.175,88.153 U7.128
  Bottom Layer w0.178: P1.10 42.545,94.114 43.06,93.599 80.518,93.599 81.412,92.705 v1(81.412,89.789)
NetP1_11: P1.11 U7.142 | length 33.3
  Top Layer w0.178: v1(65.659,91.948) 70.601,87.006 71.407,87.006 71.432,87.031 74.833,87.031 75.181,87.38 U7.142
  Bottom Layer w0.178: P1.11 65.151,92.456 v1(65.659,91.948)
NetP1_12: P1.12 U7.125 | length 45.6
  Top Layer w0.178: v1(83.566,86.233) 83.566,86.862 83.681,86.977 U7.125
  Bottom Layer w0.178: P1.12 42.672,92.456 44.069,91.059 70.866,91.059 73.914,88.011 81.788,88.011 v1(83.566,86.233)
NetP1_13: P1.13 U7.143 | length 30.8
  Top Layer w0.178: v1(69.215,89.789) 69.741,89.263 74.333,89.263 74.681,88.914 U7.143
  Bottom Layer w0.178: P1.13 45.148,89.852 69.151,89.852 v1(69.215,89.789)
NetP1_14: P1.14 U7.124 | length 47
  Top Layer w0.178: P1.14 42.862,89.916 44.133,88.646 v1(55.753,88.646) ; v1(84.12,84.917) 84.12,85.741 84.259,85.881 84.259,86.616 84.181,86.694 U7.124
  Bottom Layer w0.178: v1(55.753,88.646) 55.864,88.646 56.118,88.392 72.644,88.392 73.533,87.503 81.316,87.503 83.279,85.54 83.497,85.54 v1(84.12,84.917)
NetP1_15: P1.15 U7.144 | length 29.4
  Top Layer w0.254: v1(71.12,87.699) 71.216,87.699 71.655,88.138 74.16,88.138 74.169,88.147 U7.144
  Bottom Layer w0.254: P1.15 70.748,87.376 71.071,87.699 v1(71.12,87.699)
NetP1_16: P1.16 U7.122 | length 49.5
  Top Layer w0.178: U7.122 85.199,88.129 85.199,83.965 v1(85.217,83.947)
  Bottom Layer w0.178: P1.16 42.545,86.283 42.849,85.979 63.181,85.979 63.874,86.672 81.349,86.672 84.074,83.947 v1(85.217,83.947)
NetP2_2: P2.2 R10.1 U7.66 | length 33.4
  Top Layer w0.254: P2.2 69.596,62.23 71.628,60.198 v1@74.676,60.198 ; v1(84.201,70.485) 86.487,70.485 88.681,68.291 U7.66
  Top Layer w1.016: v1@74.676,60.198 v1(74.803,60.325) 74.773,60.295 74.773,58.451 R10.1
  Bottom Layer w0.254: v1(74.803,60.325) 78.613,60.325 84.201,65.913 v1(84.201,70.485)
NetP2_3: P2.3 U7.67 U9.5 | length 41.2
  Top Layer w0.254: v1(86.36,71.628) 86.445,71.543 86.699,71.543 89.181,69.061 U7.67
  Top Layer w0.635: U9.5 86.223,58.029 v1(86.233,58.039)
  Bottom Layer w0.254: v1(86.233,58.039) 86.36,58.166 v1(86.36,71.628)
  Bottom Layer w0.635: P2.3 68.834,58.039 v1(86.233,58.039)
NetP2_4: P2.4 U7.68 U9.2 | length 45.9
  Top Layer w0.254: P2.4 70.739,53.594 v1(72.263,53.594) ; v1(89.154,53.594) U9.2 ; v1(89.662,70.358) 89.672,70.348 89.672,67.056 U7.68
  Bottom Layer w0.254: v1(72.263,53.594) v1(89.154,53.594) 89.154,53.869 89.662,54.377 v1(89.662,70.358)
NetP2_5: P2.5 R9.1 U7.70 U9.6 | length 52.9
  Top Layer w0.254: U9.6 86.241,54.882 88.351,54.882 v1(88.37,54.901) ; v1(90.678,72.136) 90.678,68.855 90.679,68.853 90.679,67.049 U7.70
  Top Layer w0.635: R9.1 81.595,55.753 83.82,55.753 84.709,54.864 U9.6
  Bottom Layer w0.254: P2.5 67.328,54.755 88.224,54.755 v1(88.37,54.901) 88.37,71.479 89.027,72.136 v1(90.678,72.136)
NetP2_6: P2.6 U7.71 U9.1 | length 50.5
  Top Layer w0.254: U7.71 91.181,69.343 91.44,69.602 v1(91.44,69.723)
  Top Layer w0.635: U9.1 v1(93.853,52.324)
  Bottom Layer w0.254: v1(91.44,69.723) 93.853,67.31 v1(93.853,52.324)
  Bottom Layer w0.635: P2.6 93.427,52.07 93.681,52.324 v1(93.853,52.324)
NetP3_A8: P3.A8 U7.115 | length 24.6
  Top Layer w0.178: U7.115 88.681,86.162 89.027,85.816 v1(89.027,83.947)
  Bottom Layer w0.178: v1(89.027,83.947) 89.027,91.828 90.551,93.352 90.551,102.108 90.194,102.465 89.432,102.465 P3.A8
NetP3_A9: P3.A9 U7.114 | length 21.5
  Top Layer w0.178: U7.114 89.181,86.46 v1(89.916,85.725)
  Bottom Layer w0.178: v1(89.916,85.725) 89.916,91.186 92.914,94.184 92.914,101.904 92.678,102.14 92.297,102.14 P3.A9
NetQ1_1: Q1.1 Q2.3 R19.1 | length 8
  Top Layer w1.016: Q1.1 117.389,69.368 118.558,68.199 R19.1
NetR1_1: R1.1 R3.1 S1.1 | length 13.2
  Top Layer w1.016: S1.1@48.324,86.959 56.324,86.959 56.332,86.951 59.287,86.951 R3.1 R1.1
NetR7_1: R7.1 U9.3 | length 4.3
  Top Layer w0.635: U9.3 91.335,54.852 95.582,54.852 R7.1
NetR8_1: R8.1 U9.7 | length 4.8
  Top Layer w0.635: R8.1 U9.7
NetR11_1: R11.1 U7.94 | length 3.6
  Top Layer w0.254: U7.94 96.99,79.347 R11.1
NetR11_2: R11.2 Y1.3 | length 2.8
  Top Layer w1.016: R11.2 97.029,77.408 Y1.3 Y1.3
NetR13_1: R13.1 U10.29 | length 3
  Top Layer w0.254: R13.1@61.645,74.025 R13.1
  Top Layer w0.381: U10.29 R13.1@61.645,74.025
NetR13_2: R13.2 U7.21 | length 10.4
  Top Layer w0.254: R13.2 65.278,74.168 66.548,75.438 66.548,76.2 67.183,76.835 70.612,76.835 71.1,76.347 U7.21
NetR15_2: R15.2 U10.13 | length 3.2
  Top Layer w0.381: R15.2@49.53,56.449 U10.13
NetR16_1: R16.1 U7.7 U10.46 | length 53.9
  Top Layer w0.254: U7.7 73.9,83.347 74.019,83.466 77.392,83.466 77.656,83.201 78.528,83.201 v1(78.613,83.116)
  Top Layer w0.381: U10.46 51.197,72.025 57.15,77.978 v1(60.325,77.978)
  Top Layer w1.016: R16.1 65.339,78.74 v1(66.548,78.74)
  Bottom Layer w0.254: v1(60.325,77.978) 61.087,78.74 68.718,78.74 68.83,78.628 71.386,78.628 71.816,79.057 76.407,79.057 76.423,79.041 78.025,79.041 78.613,79.629 v1(78.613,83.116)
NetR17_1: R17.1 U7.8 U10.45 | length 50.8
  Top Layer w0.254: U7.8@72.39,82.838 72.399,82.847 73.939,82.847 74.15,83.058 75.729,83.058 75.983,82.804 77.02,82.804 v1(77.089,82.735)
  Top Layer w0.381: U10.45 51.305,73.025 57.081,78.801 R17.1
  Top Layer w1.016: R17.1 62.357,78.928 v1(62.357,80.137)
  Bottom Layer w0.254: v1(62.357,80.137) 63.023,79.471 76.367,79.471 76.399,79.438 76.564,79.438 76.581,79.422 77.494,79.422 77.692,79.62 77.692,82.132 v1(77.089,82.735)
NetU7_9: U7.9 U10.41 | length 41.8
  Top Layer w0.254: v1(44.45,76.581) 44.53,76.661 U10.41 ; U7.9 72.39,82.338 75.142,82.338 v1(75.184,82.296)
  Bottom Layer w0.254: v1(44.45,76.581) 44.472,76.603 44.472,77.702 44.45,77.724 44.45,81.788 44.958,82.296 v1(75.184,82.296)
NetU7_10: U7.10 U10.40 | length 40.1
  Top Layer w0.254: U10.40 45.53,77.66 v1(45.72,77.47) ; U7.10 73.837,81.847 74.119,81.565 76.296,81.565 v1(76.327,81.534)
  Bottom Layer w0.254: v1(45.72,77.47) 45.72,80.391 46.959,81.63 68.782,81.63 68.847,81.565 76.296,81.565 v1(76.327,81.534)
NetU7_11: U7.11 U10.36 | length 30.5
  Top Layer w0.254: U10.36 v1(49.53,80.899) ; U7.11 73.798,81.347 74.311,80.834 v1(75.184,80.834)
  Bottom Layer w0.254: v1(49.53,80.899) 57.415,80.899 57.765,81.249 66.207,81.249 66.622,80.834 v1(75.184,80.834)
NetU7_12: U7.12 U10.35 | length 35.9
  Top Layer w0.254: U10.35 50.538,79.367 50.538,77.605 v1(50.546,77.597) ; U7.12 73.585,80.847 74.342,80.09 76.655,80.09 v1(76.718,80.153)
  Bottom Layer w0.254: v1(50.546,77.597) 50.546,80.242 50.695,80.391 58.674,80.391 59.151,80.868 65.371,80.868 66.149,80.09 76.655,80.09 v1(76.718,80.153)
NetU7_15: U7.15 U10.34 | length 39.4
  Top Layer w0.254: U10.34 51.53,76.613 v1(51.562,76.581) ; U7.15 75.3,79.347 75.328,79.375 v1(79.502,79.375)
  Bottom Layer w0.254: v1(51.562,76.581) 58.148,76.581 58.244,76.677 72.55,76.677 74.486,78.613 79.353,78.613 79.502,78.762 v1(79.502,79.375)
NetU7_16: U7.16 U10.33 | length 48.7
  Top Layer w0.254: v1(52.451,84.201) 52.53,84.122 U10.33 ; U7.16 75.338,78.847 75.485,78.994 78.163,78.994 78.513,78.644 81.19,78.644 81.286,78.74 v1(81.407,78.74)
  Bottom Layer w0.254: v1(52.451,84.201) 66.512,84.201 67.04,84.729 80.371,84.729 81.407,83.693 v1(81.407,78.74)
NetU7_17: U7.17 U10.32 | length 51.6
  Top Layer w0.254: v1(53.467,85.09) 53.53,85.027 U10.32 ; U7.17 75.377,78.347 75.643,78.613 77.978,78.613 78.74,77.851 v1(82.55,77.851)
  Bottom Layer w0.254: v1(53.467,85.09) 66.863,85.09 66.882,85.11 80.752,85.11 82.55,83.312 v1(82.55,77.851)
NetU7_18: U7.18 U10.28 | length 24.8
  Top Layer w0.254: U10.28 v1(65.405,73.025) ; U7.18 73.143,77.847 73.178,77.882 v1(75.946,77.882)
  Bottom Layer w0.254: v1(65.405,73.025) 74.781,73.025 75.946,74.19 v1(75.946,77.882)
NetU7_19: U7.19 U10.27 | length 28.1
  Top Layer w0.254: U10.27 63.776,72.025 63.887,72.136 v1(64.008,72.136) ; U7.19 74.824,77.347 75.02,77.151 77.151,77.151 v1(77.216,77.216)
  Bottom Layer w0.254: v1(64.008,72.136) 76.686,72.136 77.216,72.666 v1(77.216,77.216)
NetU7_20: U7.20 U10.31 | length 21.6
  Top Layer w0.254: v1(53.721,77.343) 54.53,78.152 U10.31 ; v1(68.453,77.724) 70.358,77.724 71.235,76.847 U7.20
  Bottom Layer w0.254: v1(53.721,77.343) 53.817,77.247 63.939,77.247 64.416,77.724 v1(68.453,77.724)
NetU7_22: U7.22 U10.26 | length 30.7
  Top Layer w0.254: U10.26 60.674,71.025 61.468,70.231 v1(63.881,70.231) ; U7.22 73.905,75.847 74.1,76.042 78.015,76.042 78.238,75.819 v1(78.359,75.819)
  Bottom Layer w0.254: v1(63.881,70.231) 76.835,70.231 78.359,71.755 v1(78.359,75.819)
NetU7_23: U7.23 U10.8 | length 42.3
  Top Layer w0.254: U7.23 75.021,75.347 v1(75.057,75.311)
  Top Layer w0.381: U10.8 44.53,61.294 55.626,72.39 v1(55.626,75.184)
  Bottom Layer w0.254: v1(55.626,75.184) 66.327,75.184 66.454,75.311 v1(75.057,75.311)
VAA: C43.2 C44.2 L1.2 R14.2 U10.1 U10.4 U10.16 U10.20 U10.22 U10.37 | length 76.1
  Top Layer w0.381: U10.4 42.037,66.025 ; U10.1 39.211,69.056 41.878,69.056 v1(41.91,69.088) 41.971,69.027 41.971,68.801 42.037,68.735 42.037,66.025 ; C44.2 41.021,78.74 v1(41.91,77.851) ; C43.2 45.933,81.575 46.609,80.899 48.307,80.899 48.53,80.676 U10.37 ; R14.2 43.881,54.864 42.26,54.864 42.037,55.087 42.037,66.025 ; U10.16 52.53,61.136 v1@56.467,65.074 ; v1@56.467,65.089 56.467,66.119 57.373,67.025 U10.22 61.605,67.025 L1.2 ; v1@56.516,65.025 U10.20
  Top Layer w1.016: C44.2 C43.2
  Bottom Layer w0.381: v1(41.91,77.851) v1(41.91,69.088) 45.909,65.089 v1(56.503,65.089)
pads on no net: P3.A2 P3.A3 P3.A4 P3.A5 P3.A6 P3.A7 P3.B1 P3.B2 P3.B3 P3.B4 P3.B5 P3.B6 P3.B7 P3.B8 P3.B9 P3.B10 P3.SOP U7.2 U7.3 U7.4 U7.25 U7.26 U7.28 U7.29 U7.32 U7.33 U7.34 U7.35 U7.36 U7.37 U7.38 U7.39 U7.41 U7.42 U7.43 U7.44 U7.45 U7.47 U7.48 U7.49 U7.50 U7.51 U7.52 U7.55 U7.56 U7.58 U7.60 U7.61 U7.62 U7.63 U7.64 U7.73 U7.74 U7.75 U7.76 U7.77 U7.78 U7.79 U7.80 U7.81 U7.82 U7.83 U7.84 U7.85 U7.87 U7.88 U7.90 U7.91 U7.93 U7.95 U7.96 U7.97 U7.98 U7.99 U7.101 U7.102 U7.104 U7.105 U7.106 U7.107 U7.109 U7.110 U7.112 U7.113 U7.116 U7.120 U7.121 U7.133 U7.134 U7.135 U10.2 U10.3 U10.6 U10.7 U10.9 U10.11 U10.12 U10.14 U10.19 U10.24 U10.25 U10.30 U10.39 U10.42 U10.44

## Polygon pours and split planes (outlines as drawn)
GND on Bottom Layer "NONET_L02_P000" (solid, shelved, pour order 0): 37.084,46.482 37.084,107.442 118.745,107.442 118.745,46.482
GND on Top Layer "NONET_L01_P001" (solid, shelved, pour order 1): 37.084,46.482 37.084,107.442 118.745,107.442 118.745,46.482

## Keep-outs
Keep-Out Layer:
  the board outline again, w0.254

## Silkscreen, mask and mechanical layers (free items; w line width, h text height)
Top Overlay:
  drawing of 171 lines, arcs and shapes, not listed
  text "118" at 49.225,105.867 h0.76
  text "136" at 54.051,105.867 h0.76
  text "119" at 49.225,104.216 h0.76
  text "137" at 54.051,104.216 h0.76
  text "130" at 49.225,102.565 h0.76
  text "138" at 54.051,102.565 h0.76
  text "129" at 49.225,100.914 h0.76
  text "139" at 54.051,100.914 h0.76
  text "128" at 49.225,99.263 h0.76
  text "141" at 54.051,99.263 h0.76
  text "125" at 49.225,97.358 h0.76
  text "142" at 54.051,97.358 h0.76
  text "124" at 49.225,95.58 h0.76
  text "143" at 54.051,95.58 h0.76
  text "122" at 49.225,93.929 h0.76
  text "144" at 54.051,93.929 h0.76
  text "3V3" at 102.184,53.035 h0.76
  text "GND" at 104.978,53.035 h0.76
  text "GND" at 107.645,53.035 h0.76
Bottom Overlay:
  drawing of 4 lines, arcs and shapes, not listed
  text "FACULTAD" at 65.92,79.979 h2.54
  text "DE" at 65.793,75.915 h2.54
  text "INGENIERIA" at 66.174,72.105 h2.54
  text "UNMDP" at 107.315,69.342 h2.54

## Text inside footprints (layer, text, board x,y; h text height)
C1: Top Overlay "+" at 117.347,97.364 h2 r270
C2: Top Overlay "+" at 115.899,74.631 h2 r270
C3: Top Overlay "+" at 108.584,67.58 h1.2 r270
C4: Top Overlay "+" at 113.268,62.356 h1.2
C34: Top Overlay "+" at 82.678,90.027 h1.2 r90
C36: Top Overlay "+" at 83.328,62.612 h1.2 r180